# Altium PCB PCB2.PcbDoc (part 3 of 5) (continued)
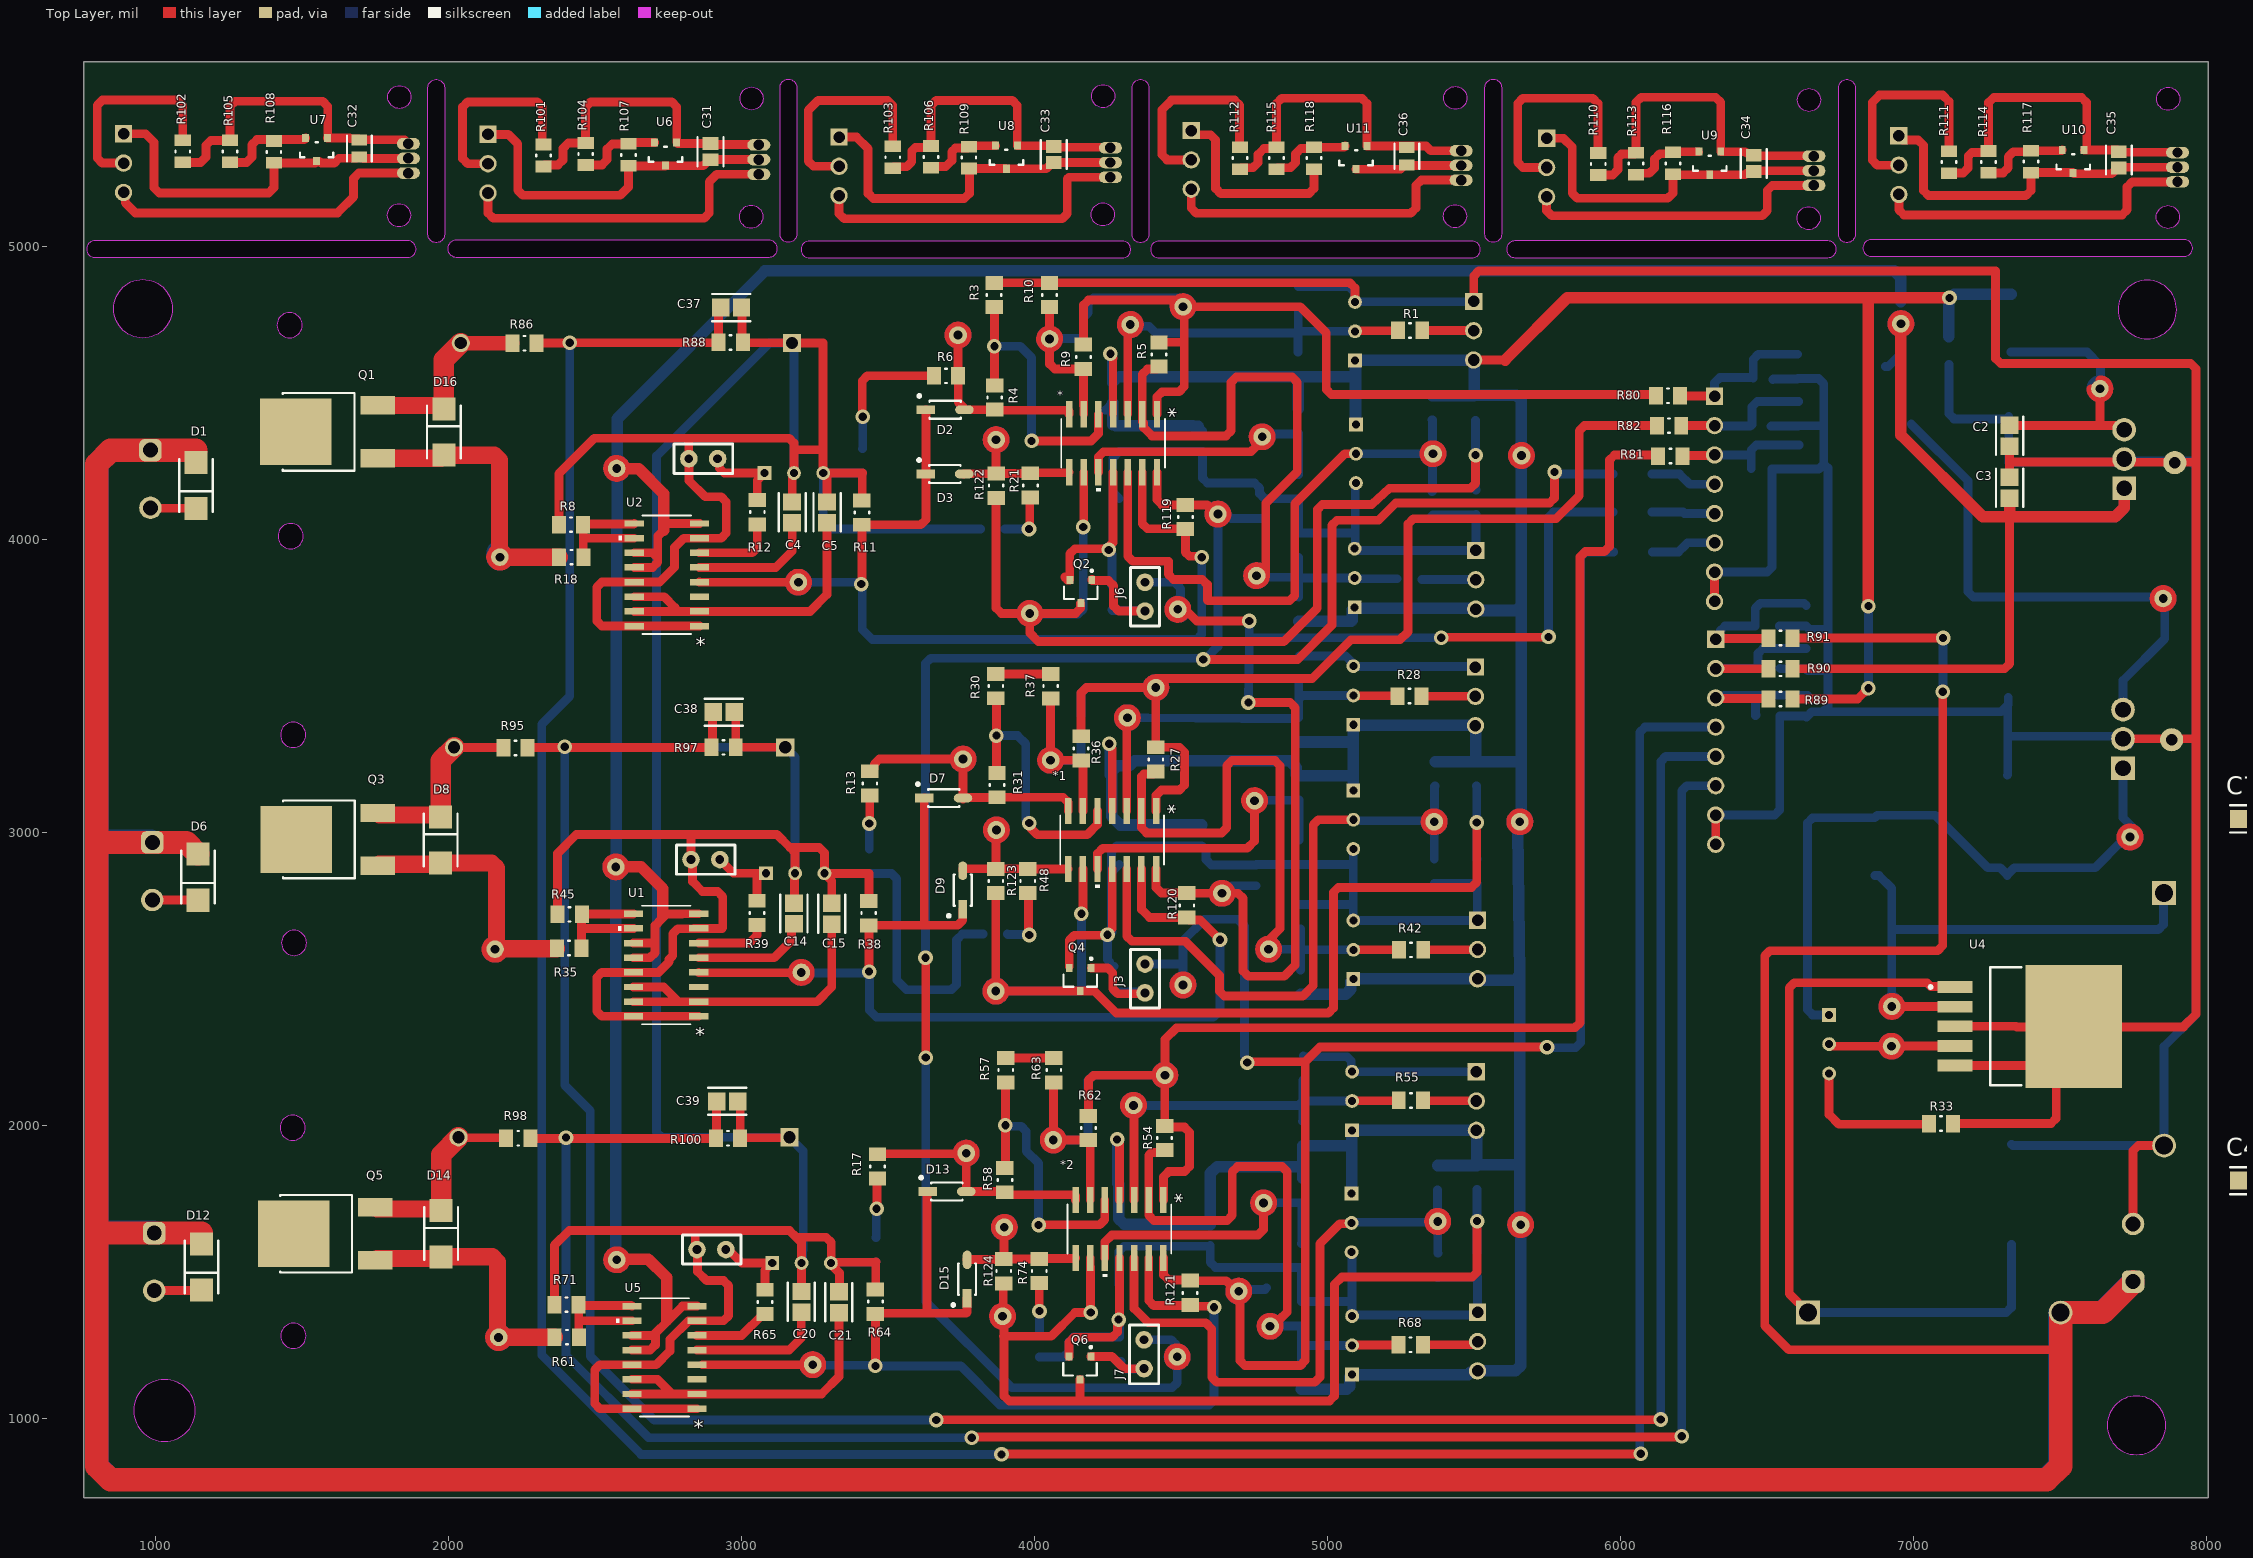
[diagram p0: Top Layer view]
## Free pads (board coordinates) (continued)
  round 3.94 on Mech8: 1(1424.92,1496.52) 1(1424.92,1496.52) 1(1424.92,1761.48) 1(1424.92,1761.48) 1(1433.92,2842.52) 1(1433.92,2842.52) 1(1433.92,3107.48) 1(1433.92,3107.48) 1(1468.92,4233.52) 1(1468.92,4233.52) 1(1468.92,4498.48) 1(1468.92,4498.48) 1(1669.8,1496.52) 1(1669.8,1496.52) 1(1669.8,1761.48) 1(1669.8,1761.48) 1(1678.8,2842.52) 1(1678.8,2842.52) 1(1678.8,3107.48) 1(1678.8,3107.48) 1(1713.8,4233.52) 1(1713.8,4233.52) 1(1713.8,4498.48) 1(1713.8,4498.48) 1(2188,3262.39) 1(2188,3262.39) 1(2188,3311.61) 1(2188,3311.61) 1(2197.63,1930.39) 1(2197.63,1930.39) 1(2197.63,1979.61) 1(2197.63,1979.61) 1(2219,4643.39) 1(2219,4643.39) 1(2219,4692.61) 1(2219,4692.61) 1(2266.74,3262.39) 1(2266.74,3262.39) 1(2266.74,3311.61) 1(2266.74,3311.61) 1(2276.37,1930.39) 1(2276.37,1930.39) 1(2276.37,1979.61) 1(2276.37,1979.61) 1(2297.74,4643.39) 1(2297.74,4643.39) 1(2297.74,4692.61) 1(2297.74,4692.61) 1(2362.26,1362.39) 1(2362.26,1362.39) 1(2362.26,1411.61) 1(2362.26,1411.61) 1(2363.26,1251.39) 1(2363.26,1251.39) 1(2363.26,1300.61) 1(2363.26,1300.61) 1(2371.63,2579.39) 1(2371.63,2579.39) 1(2371.63,2628.61) 1(2371.63,2628.61) 1(2373.26,2694.39) 1(2373.26,2694.39) 1(2373.26,2743.61) 1(2373.26,2743.61) 1(2377.63,4024.39) 1(2377.63,4024.39) 1(2377.63,4073.61) 1(2377.63,4073.61) 1(2378.63,3913.39) 1(2378.63,3913.39) 1(2378.63,3962.61) 1(2378.63,3962.61) 1(2441,1362.39) 1(2441,1362.39) 1(2441,1411.61) 1(2441,1411.61) 1(2442,1251.39) 1(2442,1251.39) 1(2442,1300.61) 1(2442,1300.61) 1(2450.37,2579.39) 1(2450.37,2579.39) 1(2450.37,2628.61) 1(2450.37,2628.61) 1(2452,2694.39) 1(2452,2694.39) 1(2452,2743.61) 1(2452,2743.61) 1(2456.37,4024.39) 1(2456.37,4024.39) 1(2456.37,4073.61) 1(2456.37,4073.61) 1(2457.37,3913.39) 1(2457.37,3913.39) 1(2457.37,3962.61) 1(2457.37,3962.61) 1(2898.63,3264.39) 1(2898.63,3264.39) 1(2898.63,3313.61) 1(2898.63,3313.61) 1(2913.63,1930.39) 1(2913.63,1930.39) 1(2913.63,1979.61) 1(2913.63,1979.61) 1(2922.63,4646.39) 1(2922.63,4646.39) 1(2922.63,4695.61) 1(2922.63,4695.61) 1(2977.37,3264.39) 1(2977.37,3264.39) 1(2977.37,3313.61) 1(2977.37,3313.61) 1(2985.48,4127.17) 1(2985.48,4127.17) 1(2985.48,4322.44) 1(2985.48,4322.44) 1(2989.48,2761.36) 1(2989.48,2761.36) 1(2989.48,2956.64) 1(2989.48,2956.64) 1(2992.37,1930.39) 1(2992.37,1930.39) 1(2992.37,1979.61) 1(2992.37,1979.61) 1(3001.37,4646.39) 1(3001.37,4646.39) 1(3001.37,4695.61) 1(3001.37,4695.61) 1(3011.48,1431.17) 1(3011.48,1431.17) 1(3011.48,1626.44) 1(3011.48,1626.44) 1(3027.39,2684.63) 1(3027.39,2684.63) 1(3027.39,2763.37) 1(3027.39,2763.37) 1(3028.39,4052.26) 1(3028.39,4052.26) 1(3028.39,4131) 1(3028.39,4131) 1(3054.39,1357) 1(3054.39,1357) 1(3054.39,1435.74) 1(3054.39,1435.74) 1(3076.61,2684.63) 1(3076.61,2684.63) 1(3076.61,2763.37) 1(3076.61,2763.37) 1(3077.61,4052.26) 1(3077.61,4052.26) 1(3077.61,4131) 1(3077.61,4131) 1(3103.61,1357) 1(3103.61,1357) 1(3103.61,1435.74) 1(3103.61,1435.74) 1(3147.39,4051.63) 1(3147.39,4051.63) 1(3147.39,4130.37) 1(3147.39,4130.37) 1(3153.39,2682.63) 1(3153.39,2682.63) 1(3153.39,2761.37) 1(3153.39,2761.37) 1(3178.39,1357.17) 1(3178.39,1357.17) 1(3178.39,1435.91) 1(3178.39,1435.91) 1(3196.61,4051.63) 1(3196.61,4051.63) 1(3196.61,4130.37) 1(3196.61,4130.37) 1(3202.61,2682.63) 1(3202.61,2682.63) 1(3202.61,2761.37) 1(3202.61,2761.37) 1(3227.61,1357.17) 1(3227.61,1357.17) 1(3227.61,1435.91) 1(3227.61,1435.91) 1(3266.39,4051.63) 1(3266.39,4051.63) 1(3266.39,4130.37) 1(3266.39,4130.37) 1(3282.39,2681.63) 1(3282.39,2681.63) 1(3282.39,2760.37) 1(3282.39,2760.37) 1(3306.39,1355.63) 1(3306.39,1355.63) 1(3306.39,1434.37) 1(3306.39,1434.37) 1(3315.61,4051.63) 1(3315.61,4051.63) 1(3315.61,4130.37) 1(3315.61,4130.37) 1(3331.61,2681.63) 1(3331.61,2681.63) 1(3331.61,2760.37) 1(3331.61,2760.37) 1(3355.61,1355.63) 1(3355.61,1355.63) 1(3355.61,1434.37) 1(3355.61,1434.37) 1(3370.52,4127.17) 1(3370.52,4127.17) 1(3370.52,4322.44) 1(3370.52,4322.44) 1(3374.52,2761.36) 1(3374.52,2761.36) 1(3374.52,2956.64) 1(3374.52,2956.64) 1(3385.39,4050.63) 1(3385.39,4050.63) 1(3385.39,4129.37) 1(3385.39,4129.37) 1(3385.43,4225.66) 1(3385.43,4225.66) 1(3385.43,4308.34) 1(3385.43,4308.34) 1(3396.52,1431.17) 1(3396.52,1431.17) 1(3396.52,1626.44) 1(3396.52,1626.44) 1(3408.39,2683.63) 1(3408.39,2683.63) 1(3408.39,2762.37) 1(3408.39,2762.37) 1(3408.43,2858.66) 1(3408.43,2858.66) 1(3408.43,2941.34) 1(3408.43,2941.34) 1(3431.39,1357.63) 1(3431.39,1357.63) 1(3431.39,1436.37) 1(3431.39,1436.37) 1(3431.43,1533.66) 1(3431.43,1533.66) 1(3431.43,1616.34) 1(3431.43,1616.34) 1(3434.61,4050.63) 1(3434.61,4050.63) 1(3434.61,4129.37) 1(3434.61,4129.37) 1(3438.57,4225.66) 1(3438.57,4225.66) 1(3438.57,4308.34) 1(3438.57,4308.34) 1(3457.61,2683.63) 1(3457.61,2683.63) 1(3457.61,2762.37) 1(3457.61,2762.37) 1(3461.57,2858.66) 1(3461.57,2858.66) 1(3461.57,2941.34) 1(3461.57,2941.34) 1(3480.61,1357.63) 1(3480.61,1357.63) 1(3480.61,1436.37) 1(3480.61,1436.37) 1(3484.57,1533.66) 1(3484.57,1533.66) 1(3484.57,1616.34) 1(3484.57,1616.34) 1(3505.39,4050.63) 1(3505.39,4050.63) 1(3505.39,4129.37) 1(3505.39,4129.37) 1(3527.39,2684.63) 1(3527.39,2684.63) 1(3527.39,2763.37) 1(3527.39,2763.37) 1(3554.61,4050.63) 1(3554.61,4050.63) 1(3554.61,4129.37) 1(3554.61,4129.37) 1(3576.61,2684.63) 1(3576.61,2684.63) 1(3576.61,2763.37) 1(3576.61,2763.37) 1(6613.17,2083.48) 1(6613.17,2083.48) 1(6613.17,2468.52) 1(6613.17,2468.52) 1(6808.44,2083.48) 1(6808.44,2083.48) 1(6808.44,2468.52) 1(6808.44,2468.52) 1(7053.63,1980.39) 1(7053.63,1980.39) 1(7053.63,2029.61) 1(7053.63,2029.61) 1(7132.37,1980.39) 1(7132.37,1980.39) 1(7132.37,2029.61) 1(7132.37,2029.61) 1(7260.52,2135.5) 1(7260.52,2135.5) 1(7260.52,2538.5) 1(7260.52,2538.5) 1(7302.39,4135.63) 1(7302.39,4135.63) 1(7302.39,4214.37) 1(7302.39,4214.37) 1(7302.39,4313.17) 1(7302.39,4313.17) 1(7302.39,4391.91) 1(7302.39,4391.91) 1(7351.61,4135.63) 1(7351.61,4135.63) 1(7351.61,4214.37) 1(7351.61,4214.37) 1(7351.61,4313.17) 1(7351.61,4313.17) 1(7351.61,4391.91) 1(7351.61,4391.91) 1(7628.51,2135.5) 1(7628.51,2135.5) 1(7628.51,2538.5) 1(7628.51,2538.5)
  round 5 on Mech6: 1(1952,5614) 1(1952,5614) 1(1962,5614) 1(1962,5614) 1(2769,4224) 1(2769,4224) 1(2769,4324) 1(2769,4324) 1(2776.57,2856) 1(2776.57,2856) 1(2776.57,2956) 1(2776.57,2956) 1(2797,1525) 1(2797,1525) 1(2797,1625) 1(2797,1625) 1(2969,4224) 1(2969,4224) 1(2969,4324) 1(2969,4324) 1(2976.57,2856) 1(2976.57,2856) 1(2976.57,2956) 1(2976.57,2956) 1(2997,1525) 1(2997,1525) 1(2997,1625) 1(2997,1625) 1(3155,4980) 1(3155,4980) 1(3155,5614) 1(3155,5614) 1(3166,4981) 1(3166,4981) 1(3166,5614) 1(3166,5614) 1(4358,4981) 1(4358,4981) 1(4358,5614) 1(4358,5614) 1(4368,4980) 1(4368,4980) 1(4368,5614) 1(4368,5614) 1(5561,4980) 1(5561,4980) 1(5561,5614) 1(5561,5614) 1(5572,4981) 1(5572,4981) 1(5572,5615) 1(5572,5615) 1(6769,4981) 1(6769,4981) 1(6769,5615) 1(6769,5615) 1(6779,4979) 1(6779,4979) 1(6779,5615) 1(6779,5615) 1(7982,4979) 1(7982,4979) 1(7982,5615) 1(7982,5615)
  round 3 on Mech4: 1(1977,3248) 1(1977,3248) 1(1977,3330) 1(1977,3330) 1(1992,1917) 1(1992,1917) 1(1992,1999) 1(1992,1999) 1(2000,4628) 1(2000,4628) 1(2000,4710) 1(2000,4710) 1(2138,3084) 1(2138,3084) 1(2138,3248) 1(2138,3248) 1(2138,3330) 1(2138,3330) 1(2138,3494) 1(2138,3494) 1(2153,1753) 1(2153,1753) 1(2153,1917) 1(2153,1917) 1(2153,1999) 1(2153,1999) 1(2153,2163) 1(2153,2163) 1(2161,4464) 1(2161,4464) 1(2161,4628) 1(2161,4628) 1(2161,4710) 1(2161,4710) 1(2161,4874) 1(2161,4874) 1(2572.25,1001) 1(2572.25,1001) 1(2572.25,1413) 1(2572.25,1413) 1(2578,2340) 1(2578,2340) 1(2578,2752) 1(2578,2752) 1(2580,3672) 1(2580,3672) 1(2580,4084) 1(2580,4084) 1(2637.75,990) 1(2637.75,990) 1(2637.75,1001) 1(2637.75,1001) 1(2637.75,1413) 1(2637.75,1413) 1(2637.75,1424) 1(2637.75,1424) 1(2643.5,2329) 1(2643.5,2329) 1(2643.5,2340) 1(2643.5,2340) 1(2643.5,2752) 1(2643.5,2752) 1(2643.5,2763) 1(2643.5,2763) 1(2645.5,3661) 1(2645.5,3661) 1(2645.5,3672) 1(2645.5,3672) 1(2645.5,4084) 1(2645.5,4084) 1(2645.5,4095) 1(2645.5,4095) 1(2834.75,990) 1(2834.75,990) 1(2834.75,1001) 1(2834.75,1001) 1(2834.75,1413) 1(2834.75,1413) 1(2834.75,1424) 1(2834.75,1424) 1(2840.5,2329) 1(2840.5,2329) 1(2840.5,2340) 1(2840.5,2340) 1(2840.5,2752) 1(2840.5,2752) 1(2840.5,2763) 1(2840.5,2763) 1(2842.5,3661) 1(2842.5,3661) 1(2842.5,3672) 1(2842.5,3672) 1(2842.5,4084) 1(2842.5,4084) 1(2842.5,4095) 1(2842.5,4095) 1(2900.25,1001) 1(2900.25,1001) 1(2900.25,1413) 1(2900.25,1413) 1(2906,2340) 1(2906,2340) 1(2906,2752) 1(2906,2752) 1(2908,3672) 1(2908,3672) 1(2908,4084) 1(2908,4084) 1(3028,3084) 1(3028,3084) 1(3028,3248) 1(3028,3248) 1(3028,3330) 1(3028,3330) 1(3028,3494) 1(3028,3494) 1(3043,1753) 1(3043,1753) 1(3043,1917) 1(3043,1917) 1(3043,1999) 1(3043,1999) 1(3043,2163) 1(3043,2163) 1(3051,4464) 1(3051,4464) 1(3051,4628) 1(3051,4628) 1(3051,4710) 1(3051,4710) 1(3051,4874) 1(3051,4874) 1(3189,3248) 1(3189,3248) 1(3189,3330) 1(3189,3330) 1(3204,1917) 1(3204,1917) 1(3204,1999) 1(3204,1999) 1(3212,4628) 1(3212,4628) 1(3212,4710) 1(3212,4710) 1(7739.5,2164) 1(7739.5,2164) 1(7739.5,2558) 1(7739.5,2558) 1(7803.5,1879.5) 1(7803.5,1879.5) 1(7803.5,2164) 1(7803.5,2164) 1(7803.5,2558) 1(7803.5,2558) 1(7803.5,2842.5) 1(7803.5,2842.5) 1(7904.5,1879.5) 1(7904.5,1879.5) 1(7904.5,2164) 1(7904.5,2164) 1(7904.5,2558) 1(7904.5,2558) 1(7904.5,2842.5) 1(7904.5,2842.5) 1(7968.5,2164) 1(7968.5,2164) 1(7968.5,2558) 1(7968.5,2558)
  round 0.5 on Mech5: 1(2018,3289) 1(2033,1958) 1(2041,4669) 1(2148,3094) 1(2148,3094) 1(2148,3289) 1(2148,3484) 1(2148,3484) 1(2163,1763) 1(2163,1763) 1(2163,1958) 1(2163,2153) 1(2163,2153) 1(2171,4474) 1(2171,4474) 1(2171,4669) 1(2171,4864) 1(2171,4864) 1(2614.25,1022) 1(2614.25,1022) 1(2614.25,1042) 1(2614.25,1042) 1(2614.25,1172) 1(2614.25,1172) 1(2614.25,1192) 1(2614.25,1192) 1(2614.25,1222) 1(2614.25,1222) 1(2614.25,1242) 1(2614.25,1242) 1(2614.25,1272) 1(2614.25,1272) 1(2614.25,1292) 1(2614.25,1292) 1(2614.25,1322) 1(2614.25,1322) 1(2614.25,1342) 1(2614.25,1342) 1(2614.25,1372) 1(2614.25,1372) 1(2614.25,1392) 1(2614.25,1392) 1(2620,2361) 1(2620,2361) 1(2620,2381) 1(2620,2381) 1(2620,2411) 1(2620,2411) 1(2620,2431) 1(2620,2431) 1(2620,2461) 1(2620,2461) 1(2620,2481) 1(2620,2481) 1(2620,2511) 1(2620,2511) 1(2620,2531) 1(2620,2531) 1(2620,2561) 1(2620,2561) 1(2620,2581) 1(2620,2581) 1(2620,2611) 1(2620,2611) 1(2620,2631) 1(2620,2631) 1(2620,2661) 1(2620,2661) 1(2620,2681) 1(2620,2681) 1(2620,2711) 1(2620,2711) 1(2620,2731) 1(2620,2731) 1(2622,3693) 1(2622,3693) 1(2622,3713) 1(2622,3713) 1(2622,3743) 1(2622,3743) 1(2622,3763) 1(2622,3763) 1(2622,3793) 1(2622,3793) 1(2622,3813) 1(2622,3813) 1(2622,3843) 1(2622,3843) 1(2622,3863) 1(2622,3863) 1(2622,3893) 1(2622,3893) 1(2622,3913) 1(2622,3913) 1(2622,3943) 1(2622,3943) 1(2622,3963) 1(2622,3963) 1(2622,3993) 1(2622,3993) 1(2622,4013) 1(2622,4013) 1(2622,4043) 1(2622,4043) 1(2622,4063) 1(2622,4063) 1(2657.75,1010) 1(2657.75,1010) 1(2657.75,1022) 1(2657.75,1022) 1(2657.75,1042) 1(2657.75,1042) 1(2657.75,1172) 1(2657.75,1172) 1(2657.75,1192) 1(2657.75,1192) 1(2657.75,1222) 1(2657.75,1222) 1(2657.75,1242) 1(2657.75,1242) 1(2657.75,1272) 1(2657.75,1272) 1(2657.75,1292) 1(2657.75,1292) 1(2657.75,1322) 1(2657.75,1322) 1(2657.75,1342) 1(2657.75,1342) 1(2657.75,1372) 1(2657.75,1372) 1(2657.75,1392) 1(2657.75,1392) 1(2657.75,1404) 1(2657.75,1404) 1(2663.5,2349) 1(2663.5,2349) 1(2663.5,2361) 1(2663.5,2361) 1(2663.5,2381) 1(2663.5,2381) 1(2663.5,2411) 1(2663.5,2411) 1(2663.5,2431) 1(2663.5,2431) 1(2663.5,2461) 1(2663.5,2461) 1(2663.5,2481) 1(2663.5,2481) 1(2663.5,2511) 1(2663.5,2511) 1(2663.5,2531) 1(2663.5,2531) 1(2663.5,2561) 1(2663.5,2561) 1(2663.5,2581) 1(2663.5,2581) 1(2663.5,2611) 1(2663.5,2611) 1(2663.5,2631) 1(2663.5,2631) 1(2663.5,2661) 1(2663.5,2661) 1(2663.5,2681) 1(2663.5,2681) 1(2663.5,2711) 1(2663.5,2711) 1(2663.5,2731) 1(2663.5,2731) 1(2663.5,2743) 1(2663.5,2743) 1(2665.5,3681) 1(2665.5,3681) 1(2665.5,3693) 1(2665.5,3693) 1(2665.5,3713) 1(2665.5,3713) 1(2665.5,3743) 1(2665.5,3743) 1(2665.5,3763) 1(2665.5,3763) 1(2665.5,3793) 1(2665.5,3793) 1(2665.5,3813) 1(2665.5,3813) 1(2665.5,3843) 1(2665.5,3843) 1(2665.5,3863) 1(2665.5,3863) 1(2665.5,3893) 1(2665.5,3893) 1(2665.5,3913) 1(2665.5,3913) 1(2665.5,3943) 1(2665.5,3943) 1(2665.5,3963) 1(2665.5,3963) 1(2665.5,3993) 1(2665.5,3993) 1(2665.5,4013) 1(2665.5,4013) 1(2665.5,4043) 1(2665.5,4043) 1(2665.5,4063) 1(2665.5,4063) 1(2665.5,4075) 1(2665.5,4075) 1(2814.75,1010) 1(2814.75,1010) 1(2814.75,1022) 1(2814.75,1022) 1(2814.75,1042) 1(2814.75,1042) 1(2814.75,1172) 1(2814.75,1172) 1(2814.75,1192) 1(2814.75,1192) 1(2814.75,1222) 1(2814.75,1222) 1(2814.75,1242) 1(2814.75,1242) 1(2814.75,1272) 1(2814.75,1272) 1(2814.75,1292) 1(2814.75,1292) 1(2814.75,1322) 1(2814.75,1322) 1(2814.75,1342) 1(2814.75,1342) 1(2814.75,1372) 1(2814.75,1372) 1(2814.75,1392) 1(2814.75,1392) 1(2814.75,1404) 1(2814.75,1404) 1(2820.5,2349) 1(2820.5,2349) 1(2820.5,2361) 1(2820.5,2361) 1(2820.5,2381) 1(2820.5,2381) 1(2820.5,2411) 1(2820.5,2411) 1(2820.5,2431) 1(2820.5,2431) 1(2820.5,2461) 1(2820.5,2461) 1(2820.5,2481) 1(2820.5,2481) 1(2820.5,2511) 1(2820.5,2511) 1(2820.5,2531) 1(2820.5,2531) 1(2820.5,2561) 1(2820.5,2561) 1(2820.5,2581) 1(2820.5,2581) 1(2820.5,2611) 1(2820.5,2611) 1(2820.5,2631) 1(2820.5,2631) 1(2820.5,2661) 1(2820.5,2661) 1(2820.5,2681) 1(2820.5,2681) 1(2820.5,2711) 1(2820.5,2711) 1(2820.5,2731) 1(2820.5,2731) 1(2820.5,2743) 1(2820.5,2743) 1(2822.5,3681) 1(2822.5,3681) 1(2822.5,3693) 1(2822.5,3693) 1(2822.5,3713) 1(2822.5,3713) 1(2822.5,3743) 1(2822.5,3743) 1(2822.5,3763) 1(2822.5,3763) 1(2822.5,3793) 1(2822.5,3793) 1(2822.5,3813) 1(2822.5,3813) 1(2822.5,3843) 1(2822.5,3843) 1(2822.5,3863) 1(2822.5,3863) 1(2822.5,3893) 1(2822.5,3893) 1(2822.5,3913) 1(2822.5,3913) 1(2822.5,3943) 1(2822.5,3943) 1(2822.5,3963) 1(2822.5,3963) 1(2822.5,3993) 1(2822.5,3993) 1(2822.5,4013) 1(2822.5,4013) 1(2822.5,4043) 1(2822.5,4043) 1(2822.5,4063) 1(2822.5,4063) 1(2822.5,4075) 1(2822.5,4075) 1(2858.25,1022) 1(2858.25,1022) 1(2858.25,1042) 1(2858.25,1042) 1(2858.25,1172) 1(2858.25,1172) 1(2858.25,1192) 1(2858.25,1192) 1(2858.25,1222) 1(2858.25,1222) 1(2858.25,1242) 1(2858.25,1242) 1(2858.25,1272) 1(2858.25,1272) 1(2858.25,1292) 1(2858.25,1292) 1(2858.25,1322) 1(2858.25,1322) 1(2858.25,1342) 1(2858.25,1342) 1(2858.25,1372) 1(2858.25,1372) 1(2858.25,1392) 1(2858.25,1392) 1(2864,2361) 1(2864,2361) 1(2864,2381) 1(2864,2381) 1(2864,2411) 1(2864,2411) 1(2864,2431) 1(2864,2431) 1(2864,2461) 1(2864,2461) 1(2864,2481) 1(2864,2481) 1(2864,2511) 1(2864,2511) 1(2864,2531) 1(2864,2531) 1(2864,2561) 1(2864,2561) 1(2864,2581) 1(2864,2581) 1(2864,2611) 1(2864,2611) 1(2864,2631) 1(2864,2631) 1(2864,2661) 1(2864,2661) 1(2864,2681) 1(2864,2681) 1(2864,2711) 1(2864,2711) 1(2864,2731) 1(2864,2731) 1(2866,3693) 1(2866,3693) 1(2866,3713) 1(2866,3713) 1(2866,3743) 1(2866,3743) 1(2866,3763) 1(2866,3763) 1(2866,3793) 1(2866,3793) 1(2866,3813) 1(2866,3813) 1(2866,3843) 1(2866,3843) 1(2866,3863) 1(2866,3863) 1(2866,3893) 1(2866,3893) 1(2866,3913) 1(2866,3913) 1(2866,3943) 1(2866,3943) 1(2866,3963) 1(2866,3963) 1(2866,3993) 1(2866,3993) 1(2866,4013) 1(2866,4013) 1(2866,4043) 1(2866,4043) 1(2866,4063) 1(2866,4063) 1(3018,3094) 1(3018,3094) 1(3018,3289) 1(3018,3484) 1(3018,3484) 1(3033,1763) 1(3033,1763) 1(3033,1958) 1(3033,2153) 1(3033,2153) 1(3041,4474) 1(3041,4474) 1(3041,4669) 1(3041,4864) 1(3041,4864) 1(3148,3289) 1(3163,1958) 1(3171,4669) 1(7749.5,2174) 1(7749.5,2174) 1(7749.5,2548) 1(7749.5,2548) 1(7829,2903) 1(7829,2903) 1(7829,2933) 1(7834,2903) 1(7839,2903) 1(7844,2903) 1(7849,2903) 1(7854,1930) 1(7854,2174) 1(7854,2548) 1(7854,2792) 1(7854,2893) 1(7854,2933) 1(7854,2933) 1(7854,2933) 1(7854,2933) 1(7854,2933) 1(7854,2933) 1(7854,2933) 1(7854,2933) 1(7854,2933) 1(7854,2933) 1(7854,2943) 1(7859,2903) 1(7864,2903) 1(7869,2903) 1(7874,2903) 1(7879,2903) 1(7879,2903) 1(7879,2933) 1(7958.5,2174) 1(7958.5,2174) 1(7958.5,2548) 1(7958.5,2548)
  round 3 on Mech14: 1(2143,3089) 1(2143,3089) 1(2143,3489) 1(2143,3489) 1(2158,1758) 1(2158,1758) 1(2158,2158) 1(2158,2158) 1(2166,4469) 1(2166,4469) 1(2166,4869) 1(2166,4869) 1(3023,3089) 1(3023,3089) 1(3023,3489) 1(3023,3489) 1(3038,1758) 1(3038,1758) 1(3038,2158) 1(3038,2158) 1(3046,4469) 1(3046,4469) 1(3046,4869) 1(3046,4869) 1(7744.5,2169) 1(7744.5,2169) 1(7744.5,2553) 1(7744.5,2553) 1(7829,2903) 1(7829,2903) 1(7829,2933) 1(7834,2903) 1(7839,2903) 1(7844,2903) 1(7849,2903) 1(7854,2893) 1(7854,2933) 1(7854,2933) 1(7854,2933) 1(7854,2933) 1(7854,2933) 1(7854,2933) 1(7854,2933) 1(7854,2933) 1(7854,2933) 1(7854,2933) 1(7854,2943) 1(7859,2903) 1(7864,2903) 1(7869,2903) 1(7874,2903) 1(7879,2903) 1(7879,2903) 1(7879,2933) 1(7963.5,2169) 1(7963.5,2169) 1(7963.5,2553) 1(7963.5,2553)
  round 3 on Mech6: 1(2652.75,1005) 1(2652.75,1409) 1(2658.5,2344) 1(2658.5,2748) 1(2660.5,3676) 1(2660.5,4080) 1(2819.75,1005) 1(2819.75,1409) 1(2825.5,2344) 1(2825.5,2748) 1(2827.5,3676) 1(2827.5,4080)
  round 5 on Mech14: 1(2769,4224) 1(2769,4224) 1(2769,4324) 1(2769,4324) 1(2776.57,2856) 1(2776.57,2856) 1(2776.57,2956) 1(2776.57,2956) 1(2797,1525) 1(2797,1525) 1(2797,1625) 1(2797,1625) 1(2829,4324) 1(2829,4324) 1(2836.57,2956) 1(2836.57,2956) 1(2857,1625) 1(2857,1625) 1(2909,4324) 1(2909,4324) 1(2916.57,2956) 1(2916.57,2956) 1(2937,1625) 1(2937,1625) 1(2969,4224) 1(2969,4224) 1(2969,4324) 1(2969,4324) 1(2976.57,2856) 1(2976.57,2856) 1(2976.57,2956) 1(2976.57,2956) 1(2997,1525) 1(2997,1525) 1(2997,1625) 1(2997,1625)
  round 4.92 on Mech6: 1(3412.98,4346.72) 1(3412.98,4356.57) 1(3435.98,2979.72) 1(3435.98,2989.57) 1(3458.98,1654.72) 1(3458.98,1664.57)
  round 9.84 on Mech6: 1(3412.98,4351.65) 1(3435.98,2984.65) 1(3458.98,1659.65)
  round 78.74 hole 39.37: 2(7880,3315) 2(7890.81,4260.55)

## Via types
v1: diameter 60/60 (per signal layer), hole 28, Top Layer to Bottom Layer, 93 vias
v2: diameter 50, hole 28, Top Layer to Bottom Layer, 55 vias

## Nets (pads, with @x,y where several pads share a name; then routed paths per layer and width w, separated by ;. In a path a pad name is that pad's centre, name@x,y a point inside that pad or via, vN(x,y) a via of type N, cw(c..) or ccw(c..) an arc to the next point about the centre after c; other vN are vias at no path point)
+5: *1.4 *2.4 *3.4 *4.4 *5.4 *.4 C8.1 C10.2 C16.1 C18.2 C22.1 C24.2 C54.2 C68.2 C79.2 L1.2 P1.3 P2.3 P3.3 P4.3 P5.3 P6.3 R2.2 R14.1 R16.2 R19.1 R24.2 R29.2 R41.1 R43.2 R44.2 R46.1 R51.2 R56.2 R67.1 R69.2 R72.1 R77.2 R89.2 R140.1 R142.2 R145.1 R153.2 R155.2 R164.2 R181.1 R186.2 R189.1 R200.2 R214.2 R227.1 R229.2 R232.1 R240.2 RP1.1 RP2.1 RP4.1 RP6.1 RP7.1 RP9.1 RP10.1 RP11.1 RP13.1 RP14.1 RP16.1 RP17.1 RP19.1 RP21.1 RP22.1 RP23.1 RP25.1 RP26.1 TP7.1 TP20.1 TP35.1 TP52.1 TP74.1 TP90.1 Z1.1 | length 17610.9
  Top Layer w27.56: v2@4265.33,4624.67 4262.29,4621.63 4267,4616.93 *.4@4267,4425.97
  Top Layer w30: v2(4254,3301) 4254,3295.59 4264,3285.59 *1.4@4264,3071.94 ; v2(4258,4632) 4258,4626.59 v2@4267,4617.59 ; v2(4281,1951) 4289,1943 *2.4@4289,1744 ; P1.3@5497.81,4611 5605,4611 ; R89.2@6586.37,3454 6808,3454 v2(6845,3491) ; 6843,4823 6845,4821
  Top Layer w39.37: 5605,4611 5817,4823 6843,4823 v2(7122,4823) ; v2(6845,3771) 6845,4821
  Bottom Layer w30: C16.1@4241.63,4440.4 4266,4464.77 C16.1@4266,4502.26 4266,4530.26 C16.1@4290.37,4554.63 ; v2(4254,3301) v2@4257.83,3297.17 ; v2(4258,4632) 4261.83,4628.17 4261.83,4532.43 C16.1@4264,4530.26 ; v2(4281,1951) v2@4284,1948 ; C8.1@4284,1801.52 C8.1@4287,1798.52 ; 4538.79,4387.04 C10.2@4541.75,4384.08 ; C10.2@4557.38,4384.08 C10.2@4572,4369.46 ; C24.2@4596.46,1662 C24.2@4599,1659.46 ; R2.2@4898,4554.63 R2.2@4898.5,4554.13 ; R14.1@4898.5,4443.87 R14.1@4899,4443.37 ; 5065.43,1098.63 5074.38,1107.58 ; RP11.1@5074.38,1139.38 RP11.1@5083,1148 ; RP7.1@5078.38,2489.38 RP7.1@5087,2498 RP7.1@5087.5,2498.5 ; 5078.74,3307.26 5087,3299 ; 5079.43,3719.26 5083.18,3723.01 ; RP13.1@5081.2,1766 RP13.1@5082.1,1766.9 ; RP10.1@5082.1,1981.1 RP10.1@5083,1982 ; RP2.1@5083.18,3758.38 RP2.1@5091.8,3767 RP2.1@5094.8,3764 ; 5084,3192 5087,3195 ; RP6.1@5087,3366 RP6.1@5088.5,3364.5 ; RP1.1@5094,4610 RP1.1@5093,4609 RP1.1@5094.5,4607.5 ; RP4.1@5094.5,4392.5 RP4.1@5096,4391 ; R24.2@5356,4490 R24.2@5356.81,4489.19 ; R77.2@5374,1861.37 R77.2@5374.5,1861.87 ; 5478.9,1148 P6.3@5486.34,1155.44 ; P1.3@5496.81,4610 P1.3@5497.81,4611 P1.3@5500.41,4608.41 ; R19.1@5498.62,4489.19 R19.1@5500.41,4490.97 ; P2.3@5502,3764 P2.3@5505,3761 P2.3@5510,3756 ; P3.3@5502.5,3364.5 P3.3@5504,3363 P3.3@5505.5,3361.5 ; P6.3@5505.44,1155.44 P6.3@5511,1161 ; R46.1@5505.5,3241.5 R46.1@5507,3240 ; P5.3@5507,1982 P5.3@5508,1981 ; R72.1@5508,1863.37 R72.1@5509,1862.37 ; R72.1@5508.5,1861.87 R72.1@5509,1862.37 ; P4.3@5510.5,2498.5 P4.3@5511,2499 P4.3@5516.56,2493.44 ; R72.1@5511.63,1865 R72.1@5509,1862.37 ; 5661,4315.9 TP7.1@5661,4285 5691.9,4285 ; v2(6845,3491) v2(6845,3771) ; v2@7120,4817.85 v2@7137.57,4835.43 ; L1.2@7329.24,4838.18 L1.2@7332,4835.43
  Bottom Layer w39.37: C22.1@4257.83,3196.17 v2@4257.83,3297.17 ; 4266,4390 C16.1@4266,4464.77 ; 4276.04,4387.04 4538.79,4387.04 ; C8.1@4284,1801.52 v2@4284,1948 ; C8.1@4287,1798.52 4287,1679.57 4304.57,1662 C24.2@4596.46,1662 ; C16.1@4290.37,4554.63 R2.2@4898,4554.63 5094.5,4554.63 ; C10.2@4541.75,4384.08 C10.2@4557.38,4384.08 ; C18.2@4569,3023.93 4292.07,3023.93 4262,3054 C22.1@4262,3164.52 4262,3205.86 4281.69,3225.54 4323.02,3225.54 4340.48,3243 4868.93,3243 4892,3219.94 4892,3196.07 4896.06,3192 5084,3192 ; C24.2@4599,1659.46 4599,1834.94 4622.06,1858 4904,1858 ; R14.1@4898.5,4443.87 R2.2@4898.5,4554.13 ; R29.2@4901,3307.26 5078.74,3307.26 ; R16.2@4901,3719.26 5079.43,3719.26 ; R43.2@4907,2445.63 5060.8,2445.63 5078.38,2463.2 RP7.1@5078.38,2489.38 ; R69.2@4910,1098.63 5065.43,1098.63 ; R67.1@4914,1818.37 4914,1858 R56.2@4914,1930 5082.1,1930 ; 5074.38,1107.58 RP11.1@5074.38,1139.38 ; RP13.1@5082.1,1766.9 5082.1,1930 ; RP10.1@5082.1,1981.1 5082.1,1930 ; RP11.1@5083,1148 5478.9,1148 ; RP10.1@5083,1982 P5.3@5507,1982 ; 5083.18,3723.01 RP2.1@5083.18,3758.38 ; RP9.1@5087,3142 5087,3195 5087,3299 RP6.1@5087,3366 ; RP7.1@5087.5,2498.5 P4.3@5510.5,2498.5 ; RP6.1@5088.5,3364.5 P3.3@5502.5,3364.5 ; RP1.1@5094,4610 P1.3@5496.81,4610 ; RP4.1@5094.5,4392.5 RP1.1@5094.5,4607.5 ; RP2.1@5094.8,3764 P2.3@5502,3764 ; R24.2@5356.81,4489.19 R19.1@5498.62,4489.19 ; R51.2@5366,3240 R46.1@5507,3240 5661,3240 ; R77.2@5374.5,1861.87 R72.1@5508.5,1861.87 ; P6.3@5486.34,1155.44 P6.3@5505.44,1155.44 ; P1.3@5500.41,4608.41 5500.41,4490.97 5643.43,4490.97 5661,4473.39 5661,4315.9 ; R46.1@5505.5,3241.5 P3.3@5505.5,3361.5 ; R72.1@5508,1863.37 P5.3@5508,1981 ; P2.3@5510,3756 5643.43,3756 5661,3773.57 ; P6.3@5511,1161 5640.65,1161 5658.22,1178.57 5658.22,1628.88 ; R72.1@5511.63,1865 5655.44,1865 ; P4.3@5516.56,2493.44 5637.87,2493.44 5655.44,2511.01 ; 5648.89,3004.01 5655.44,2511.01 ; 5655.44,1690.56 5655.44,1865 ; 5661,3071.46 5661,3240 ; 5661,4254.1 5661,3773.57 ; Z1.1@7120,4691.24 v2@7120,4817.85 ; v2@7137.57,4835.43 L1.2@7332,4835.43 ; 5655.44,1865 5655.44,2511.01 ; 5661,3240 5661,3773.57
  other v1: 19595,1820 26280,3055 54015,3055
+12: C3.1 C6.1 C46.1 L2.2 R90.2 R156.2 RG1.1 TP2.1 TP26.1 TP34.1 TP41.1 TP60.1 TP61.1 TP81.1 TP97.1 U1.8 U1.11 U1.12 U2.8 U2.11 U2.12 U5.8 U5.11 U5.12 | length 12840.8
  Top Layer w30: 2551.13,4262.87 2576.74,4256.82 2602.34,4250.78 ; TP26.1@2570,2881 2600.93,2881 ; TP2.1@2573,4241 2574,4240 2603.91,4240 ; U5.12@2625,1232 2687.29,1232 2705,1249.71 2705,1289.32 ; U5.11@2625,1282 2697.68,1282 2705,1289.32 ; U1.12@2630.75,2571 2686.43,2571 2704,2588.57 2704,2629.79 ; U1.11@2630.75,2621 2695.21,2621 2704,2629.79 ; U2.12@2632.75,3903 2695.43,3903 2713,3920.57 2713,3936 ; U2.11@2632.75,3953 2696,3953 2713,3936 ; 2725.14,2701.86 2704,2680.71 2704,2629.79 ; 2729,2720 2730,2720 2795.43,2720 2796.43,2721 U1.8@2853.25,2721 ; 2730,4053 2733,4053 U2.8@2855.25,4053 ; 2733,4030 2713,4010 2713,3936 ; 2743.37,1334.31 2746.68,1331 ; U5.8@2847.5,1382 2797.68,1382 2746.68,1331 ; R90.2@6586.37,3557 7309.43,3557 7327,3574.57 7327,4076 ; 6956,4704.07 TP34.1@6956,4735 ; 2705,1289.32 2746.68,1331
  Top Layer w39.37: 2600.93,2881 2656,2881 2730,2807 2730,2720 2730,2713.34 ; 2603.91,4240 2648,4240 2733,4155 2733,4053 2733,4030 ; 2612.93,1542 2681,1542 2743.37,1479.63 2743.37,1334.31 ; 6956,4704.07 6956,4355 7235,4076 7327,4076 ; C3.1@7327,4139.54 7327,4076 ; RG1.1@7718,4173.2 7718,4106.57 7687.43,4076 7327,4076
  Bottom Layer w30: L2.2@6903,4589 6913.09,4589 6957.15,4633.06 6957.15,4704.12
  Bottom Layer w39.37: 2570,1570.76 2570,2850.1 ; 2571.5,2911.87 2571.5,3551 2574.24,4210.09 ; 2574.5,4271.87 2574.5,4410.5 3079,4915 6932.94,4915 6956,4891.94 6956,4810.61 ; C6.1@7324,4075.74 7687.17,4075.74 7718,4106.57 RG1.1@7718,4173.2
  other v1: 9695,1820 12005,1820 19675,3055 45135,3055